# KiCad board SparkFun_Qwiic_WAV_Trigger_Pro_panelized.kicad_pcb (continued)
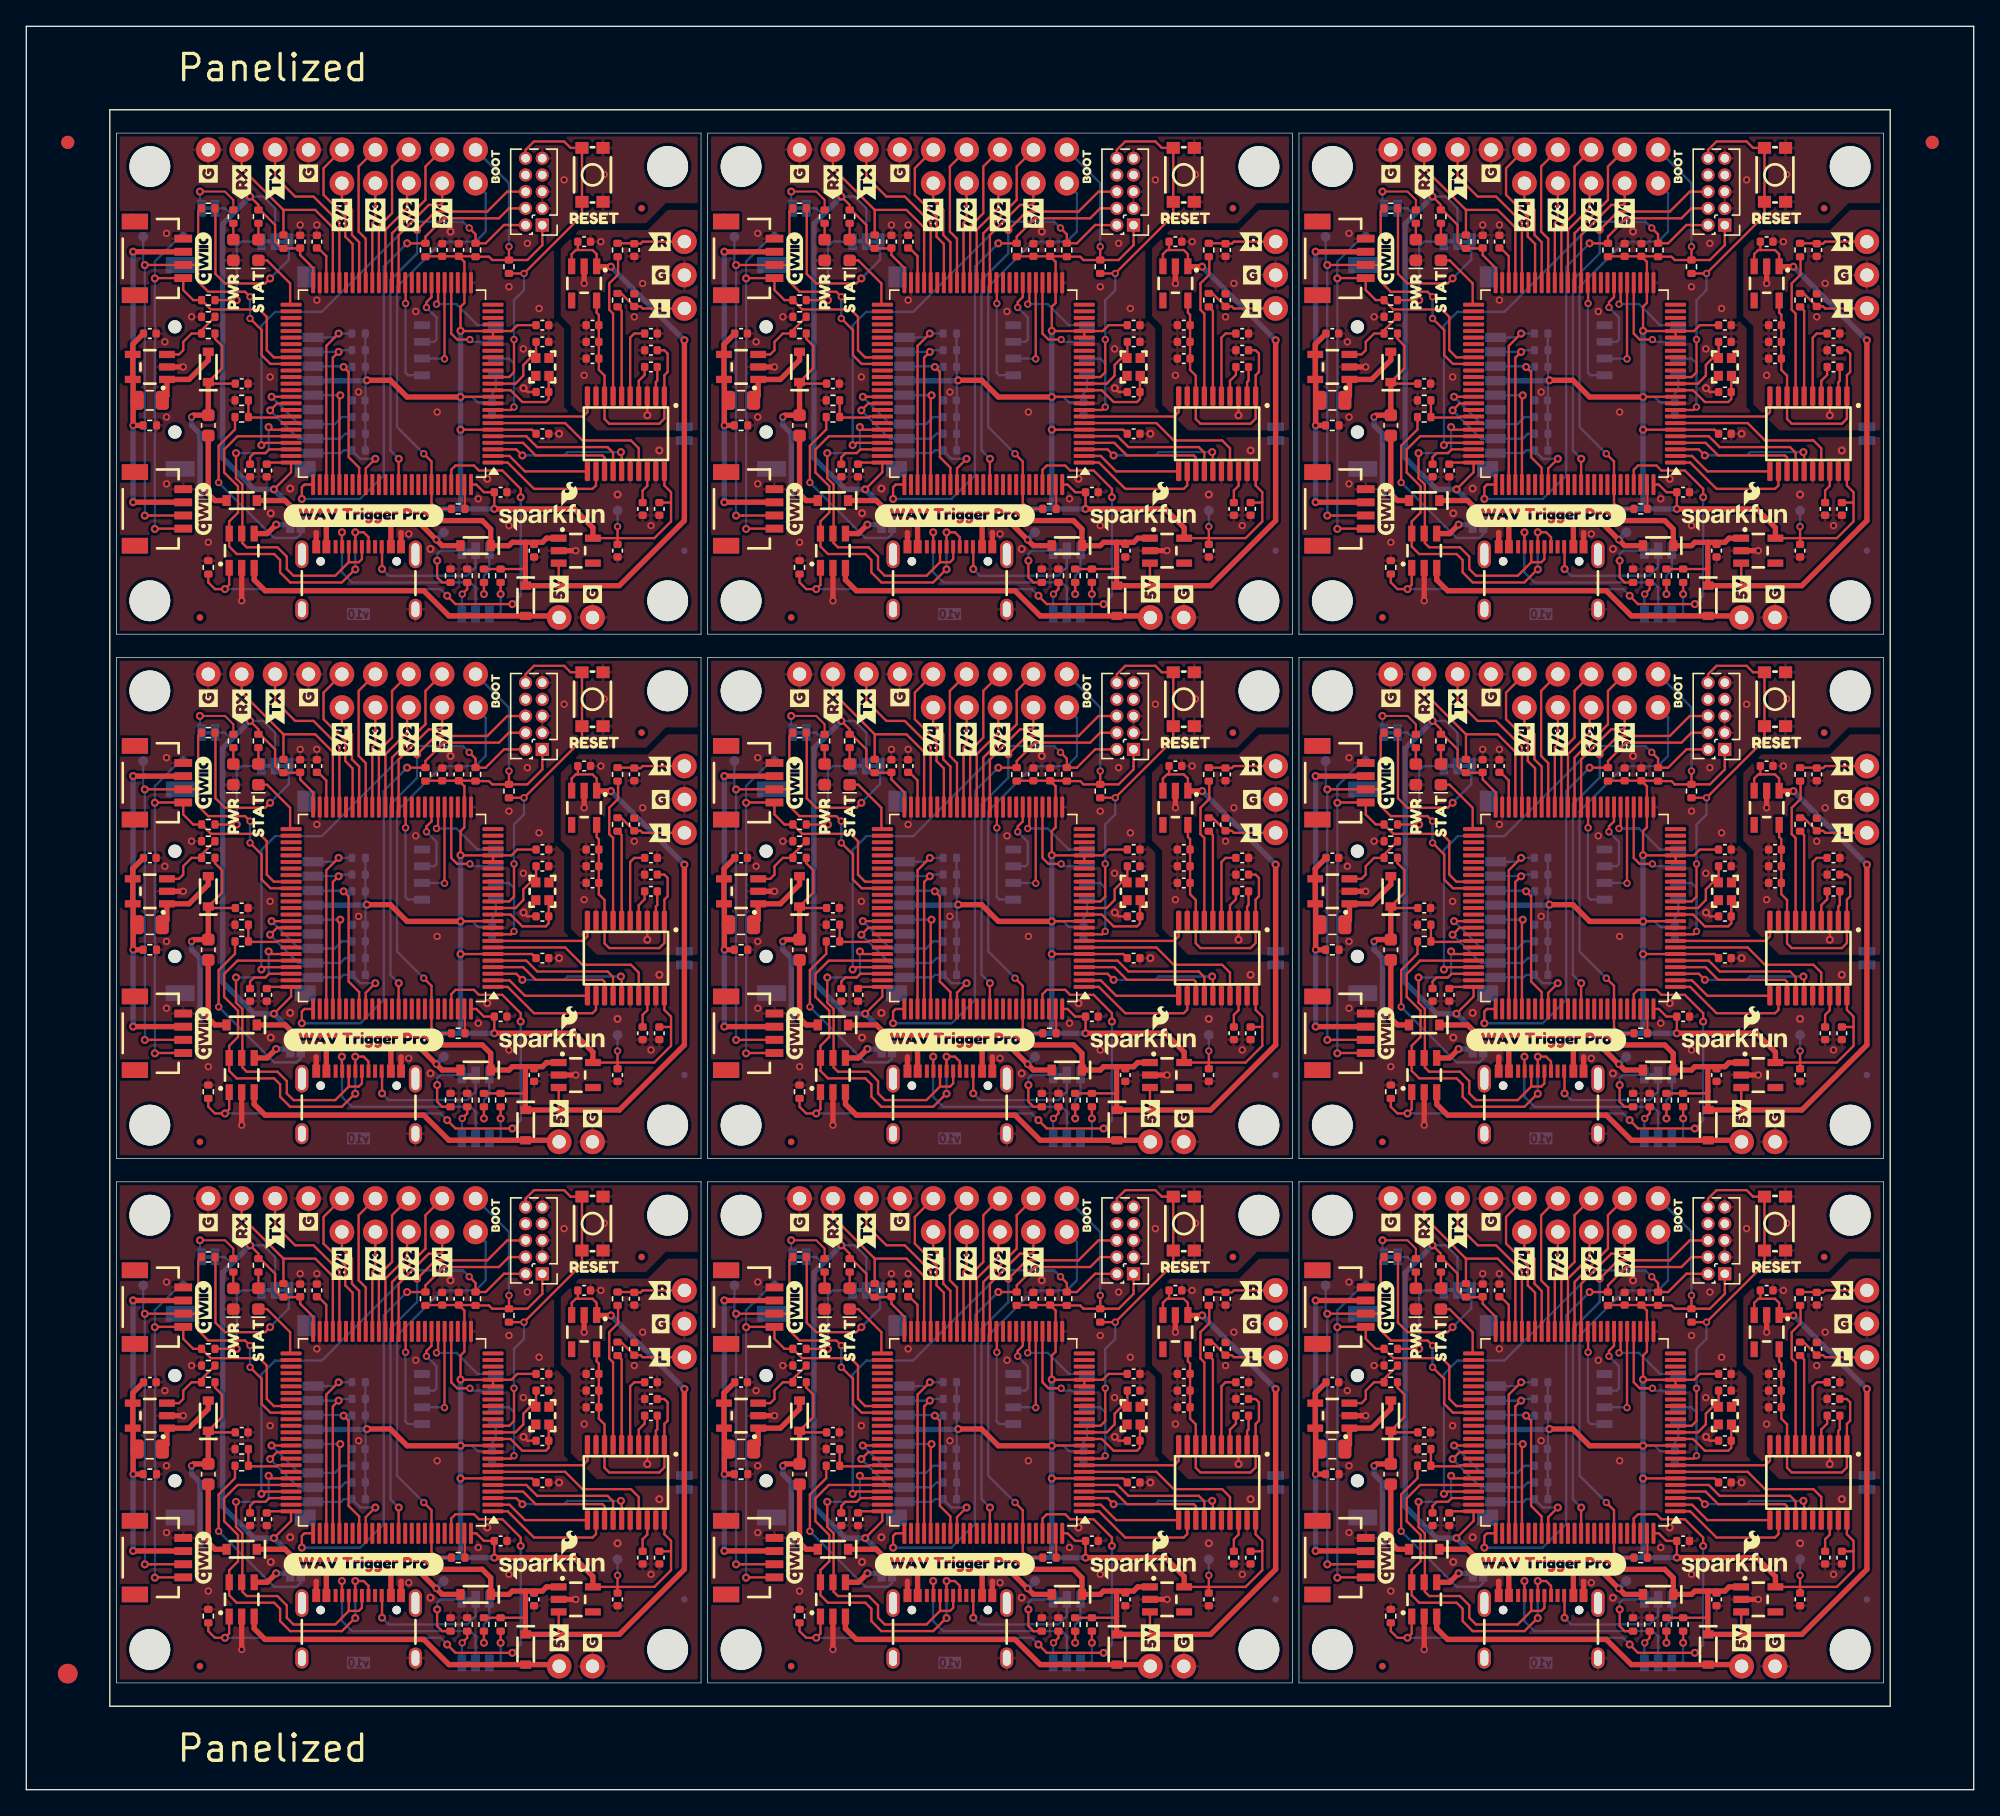
[diagram p0: board, top side]
## Routing (per net, layer and track width the routed paths; a pad name or vN(x,y) marks a point on that pad's centre or on a via; arc(x,y) is an arc through that point) (continued)
GND: length 91.3
  Top w0.152: R8#3.2 78.29,19.46 U3#2.99 ; U3#3.99 33.34,59.33 R8#2.2 ; R8#8.2 123.24,59.33 U3#7.99 ; U3#9.99 33.34,19.46 R8#9.2 ; R8#7.2 123.24,19.46 U3#8.99 ; U3#6.99 78.29,99.2 R8#6.2 ; U3.99 123.24,99.2 R8.2 ; U3#5.99 78.29,59.33 R8#4.2 ; U3#4.99 33.34,99.2 R8#5.2
  Top w0.178: v1(127.7,26.83) 127.99,26.53 C11#4.1 ; C11#5.1 83.04,106.27 v1(82.75,106.57) ; v1(82.75,26.83) 83.04,26.53 C11.1 ; C11#6.1 127.99,66.41 v1(127.7,66.7) ; v1(37.8,66.7) 38.09,66.41 C11#2.1 ; v1(82.75,66.7) 83.04,66.41 C11#3.1 ; v1(37.8,106.57) 38.09,106.27 C11#8.1 ; C11#7.1 127.99,106.27 v1(127.7,106.57) ; C11#9.1 38.09,26.53 v1(37.8,26.83)
  Top w0.406: U2.2 v2(86.73,54.34) ; 28.49,15.84 28.49,15.84 28.49,14.77 ; U2#5.2 v2(41.77,94.21) ; J2#8.GND 66.99,55.71 66.99,55.71 ; U1#5.2 v2(106.27,90.4) ; U6#3.2 v2(56.88,108.18) ; U6#9.2 v2(11.93,28.44) ; U2#6.2 v2(131.68,54.34) ; 118.39,55.71 118.39,55.71 J2#7.GND ; U6#6.2 v2(101.83,28.44) ; 73.44,94.5 73.44,95.58 73.44,95.58 ; U2#3.2 v2(131.68,94.21) ; U1#8.2 v2(106.27,50.53) ; U2#9.2 v2(41.77,14.47) ; 118.39,14.77 118.39,15.84 118.39,15.84 ; 66.99,95.58 66.99,95.58 66.99,94.5 ; 66.99,15.84 66.99,15.84 66.99,14.77 ; U1#4.2 v2(61.33,50.53) ; 111.94,55.71 111.94,55.71 J2#7.GND ; U6.2 v2(11.93,108.18) ; 28.49,94.5 28.49,95.58 28.49,95.58 ; U1#3.2 v2(61.33,90.4) ; 22.04,94.5 22.04,95.58 22.04,95.58 ; U1.2 v2(16.38,50.53) ; U2#2.2 v2(86.73,94.21) ; U1#9.2 v2(16.38,10.66) ; U1#6.2 v2(106.27,10.66) ; J2.GND 28.49,55.71 28.49,55.71 ; U6#7.2 v2(101.83,68.31) ; U6#5.2 v2(56.88,68.31) ; U6#8.2 v2(11.93,68.31) ; 22.04,15.84 22.04,15.84 22.04,14.77 ; 111.94,95.58 111.94,95.58 111.94,94.5 ; U2#4.2 v2(86.73,14.47) ; U1#7.2 v2(16.38,90.4) ; U6#2.2 v2(56.88,28.44) ; U2#8.2 v2(41.77,54.34) ; 111.94,15.84 111.94,15.84 111.94,14.77 ; 118.39,95.58 118.39,95.58 118.39,94.5 ; 73.44,55.71 73.44,55.71 J2#8.GND ; U6#4.2 v2(101.83,108.18) ; 73.44,14.77 73.44,15.84 73.44,15.84 ; 22.04,55.71 22.04,55.71 J2.GND ; U2#7.2 v2(131.68,14.47) ; U1#2.2 v2(61.33,10.66)
  vias: v1(18.58,97.05) v1(18.58,57.18) v1(18.58,17.31) v1(20.06,98.93) v1(20.06,59.06) v1(20.06,19.19) v1(30.73,94.34) v1(30.73,54.47) v1(30.73,14.6) v1(32.25,118.47) v1(32.25,78.6) v1(32.25,38.73) v1(35.04,99.67) v1(35.04,59.8) v1(35.04,19.93) v1(40.51,103.1) v1(40.51,63.23) v1(40.51,23.36) v1(44.95,98.48) v1(44.95,58.61) v1(44.95,18.74) v1(48.13,101.83) v1(48.13,61.96) v1(48.13,22.09) v1(63.53,97.05) v1(63.53,57.18) v1(63.53,17.31) v1(65.01,98.93) v1(65.01,59.06) v1(65.01,19.19) v1(75.68,94.34) v1(75.68,54.47) v1(75.68,14.6) v1(77.2,118.47) v1(77.2,78.6) v1(77.2,38.73) v1(79.99,99.67) v1(79.99,59.8) v1(79.99,19.93) v1(85.45,103.1) v1(85.45,63.23) v1(85.45,23.36) v1(89.9,98.48) v1(89.9,58.61) v1(89.9,18.74) v1(93.08,101.83) v1(93.08,61.96) v1(93.08,22.09) v1(108.48,97.05) v1(108.48,57.18) v1(108.48,17.31) v1(109.96,98.93) v1(109.96,59.06) v1(109.96,19.19) v1(120.63,94.34) v1(120.63,54.47) v1(120.63,14.6) v1(122.15,118.47) v1(122.15,78.6) v1(122.15,38.73) v1(124.94,99.67) v1(124.94,59.8) v1(124.94,19.93) v1(130.41,103.1) v1(130.41,63.23) v1(130.41,23.36) v1(134.85,98.48) v1(134.85,58.61) v1(134.85,18.74) v1(138.02,101.83) v1(138.02,61.96) v1(138.02,22.09) v2(10.53,110.08) v2(10.53,70.22) v2(10.53,30.34) v2(10.66,118.34) v2(10.66,104.37) v2(10.66,99.29) v2(10.66,78.47) v2(10.66,64.5) v2(10.66,59.42) v2(10.66,38.6) v2(10.66,24.63) v2(10.66,19.55) v2(12.57,111.99) v2(12.57,72.12) v2(12.57,32.25) v2(13.83,94.84) v2(13.83,54.97) v2(13.83,15.1) v2(18.53,107.42) v2(18.53,67.55) v2(18.53,27.68) v2(20.82,118.97) v2(20.82,79.1) v2(20.82,39.23) v2(22.09,118.97) v2(22.09,113.26) v2(22.09,79.1) v2(22.09,73.39) v2(22.09,39.23) v2(22.09,33.52) v2(25.27,106.27) v2(25.27,66.41) v2(25.27,26.53) v2(29.08,95.48) v2(29.08,55.61) v2(29.08,15.74) v2(29.61,112.4) v2(29.61,72.53) v2(29.61,32.66) v2(31.23,104.75) v2(31.23,64.88) v2(31.23,25.01) v2(34.36,98.15) v2(34.36,58.28) v2(34.36,18.41) v2(36.7,114.28) v2(36.7,96.11) v2(36.7,74.41) v2(36.7,56.24) v2(36.7,34.54) v2(36.7,16.38) v2(37.79,109.55) v2(37.79,69.68) v2(37.79,29.81) v2(38.09,117.58) v2(38.09,77.71) v2(38.09,37.84) v2(38.98,112.62) v2(38.98,72.75) v2(38.98,32.88) v2(40.89,122.4) v2(40.89,82.53) v2(40.89,42.66) v2(43.93,122.81) v2(43.93,82.94) v2(43.93,43.07) v2(47.49,96.11) v2(47.49,56.24) v2(47.49,16.38) v2(55.48,110.08) v2(55.48,70.22) v2(55.48,30.34) v2(55.61,118.34) v2(55.61,104.37) v2(55.61,99.29) v2(55.61,78.47) v2(55.61,64.5) v2(55.61,59.42) v2(55.61,38.6) v2(55.61,24.63) v2(55.61,19.55) v2(57.52,111.99) v2(57.52,72.12) v2(57.52,32.25) v2(58.79,94.84) v2(58.79,54.97) v2(58.79,15.1) v2(63.48,107.42) v2(63.48,67.55) v2(63.48,27.68) v2(65.77,118.97) v2(65.77,79.1) v2(65.77,39.23) v2(67.04,118.97) v2(67.04,113.26) v2(67.04,79.1) v2(67.04,73.39) v2(67.04,39.23) v2(67.04,33.52) v2(70.21,106.27) v2(70.21,66.41) v2(70.21,26.53) v2(74.02,95.48) v2(74.02,55.61) v2(74.02,15.74) v2(74.56,112.4) v2(74.56,72.53) v2(74.56,32.66) v2(76.18,104.75) v2(76.18,64.88) v2(76.18,25.01) v2(79.31,98.15) v2(79.31,58.28) v2(79.31,18.41) v2(81.64,114.28) v2(81.64,96.11) v2(81.64,74.41) v2(81.64,56.24) v2(81.64,34.54) v2(81.64,16.38) v2(82.74,109.55) v2(82.74,69.68) v2(82.74,29.81) v2(83.04,117.58) v2(83.04,77.71) v2(83.04,37.84) v2(83.93,112.62) v2(83.93,72.75) v2(83.93,32.88) v2(85.84,122.4) v2(85.84,82.53) v2(85.84,42.66) v2(88.88,122.81) v2(88.88,82.94) v2(88.88,43.07) v2(92.44,96.11) v2(92.44,56.24) v2(92.44,16.38) v2(100.43,110.08) v2(100.43,70.22) v2(100.43,30.34) v2(100.56,118.34) v2(100.56,104.37) v2(100.56,99.29) v2(100.56,78.47) v2(100.56,64.5) v2(100.56,59.42) v2(100.56,38.6) v2(100.56,24.63) v2(100.56,19.55) v2(102.46,111.99) v2(102.46,72.12) v2(102.46,32.25) v2(103.73,94.84) v2(103.73,54.97) v2(103.73,15.1) v2(108.43,107.42) v2(108.43,67.55) v2(108.43,27.68) v2(110.72,118.97) v2(110.72,79.1) v2(110.72,39.23) v2(111.99,118.97) v2(111.99,113.26) v2(111.99,79.1) v2(111.99,73.39) v2(111.99,39.23) v2(111.99,33.52) v2(115.17,106.27) v2(115.17,66.41) v2(115.17,26.53) v2(118.98,95.48) v2(118.98,55.61) v2(118.98,15.74) v2(119.51,112.4) v2(119.51,72.53) v2(119.51,32.66) v2(121.13,104.75) v2(121.13,64.88) v2(121.13,25.01) v2(124.26,98.15) v2(124.26,58.28) v2(124.26,18.41) v2(126.6,114.28) v2(126.6,96.11) v2(126.6,74.41) v2(126.6,56.24) v2(126.6,34.54) v2(126.6,16.38) v2(127.69,109.55) v2(127.69,69.68) v2(127.69,29.81) v2(127.99,117.58) v2(127.99,77.71) v2(127.99,37.84) v2(128.88,112.62) v2(128.88,72.75) v2(128.88,32.88) v2(130.79,122.4) v2(130.79,82.53) v2(130.79,42.66) v2(133.83,122.81) v2(133.83,82.94) v2(133.83,43.07) v2(137.39,96.11) v2(137.39,56.24) v2(137.39,16.38)
GNDA: length 26.7
  Top w0.178: U5#6.3 92.16,24.66 v1(92.16,24.76) ; v1(47.21,24.76) 47.21,24.66 U5#9.3 ; U5#8.3 137.11,104.4 v1(137.11,104.5) ; U5#3.3 137.11,64.53 v1(137.11,64.63) ; v1(137.11,24.76) 137.11,24.66 U5#5.3 ; U5#2.3 92.16,104.4 v1(92.16,104.5) ; U5.3 47.21,64.53 v1(47.21,64.63) ; U5#7.3 92.16,64.53 v1(92.16,64.63) ; v1(47.21,104.5) 47.21,104.4 U5#4.3
  Top w0.406: U4#6.2 v2(132.31,34.79) ; U4.2 v2(87.36,34.79) ; U4#3.2 v2(87.36,114.53) ; U4#2.2 v2(42.41,114.53) ; U4#9.2 v2(42.41,34.79) ; U4#8.2 v2(87.36,74.66) ; U4#7.2 v2(42.41,74.66) ; U4#5.2 v2(132.31,74.66) ; U4#4.2 v2(132.31,114.53)
  vias: v2(42.41,107.54) v2(42.41,67.67) v2(42.41,27.8) v2(43.68,117.7) v2(43.68,77.83) v2(43.68,37.96) v2(46.22,111.99) v2(46.22,72.12) v2(46.22,32.25) v2(46.86,114.53) v2(46.86,74.66) v2(46.86,34.79) v2(87.36,107.54) v2(87.36,67.67) v2(87.36,27.8) v2(88.63,117.7) v2(88.63,77.83) v2(88.63,37.96) v2(91.17,111.99) v2(91.17,72.12) v2(91.17,32.25) v2(91.8,114.53) v2(91.8,74.66) v2(91.8,34.79) v2(132.31,107.54) v2(132.31,67.67) v2(132.31,27.8) v2(133.58,117.7) v2(133.58,77.83) v2(133.58,37.96) v2(136.12,111.99) v2(136.12,72.12) v2(136.12,32.25) v2(136.75,114.53) v2(136.75,74.66) v2(136.75,34.79)
VIN: length 229.1
  Top w0.406: 85.97,9.51 86.09,9.39 ; 41.02,49.38 41.14,49.26 ; 85.97,89.25 86.09,89.13 ; U1#2.3 62.27,12.25 63.1,11.42 75.17,11.42 77.08,9.51 D2#4.A 85.33,9.51 J1.1 ; J1#4.1 130.29,9.51 D2#7.A 122.03,9.51 120.12,11.42 108.05,11.42 107.23,12.25 U1#6.3 ; U1#3.3 62.27,91.99 63.1,91.16 75.17,91.16 77.08,89.25 D2#5.A 85.33,89.25 J1#8.1 ; U1#4.3 62.27,52.12 63.1,51.29 75.17,51.29 77.08,49.38 D2#8.A 85.33,49.38 J1#6.1 ; 130.92,9.51 131.04,9.39 ; U1#7.3 17.33,91.99 18.15,91.16 30.22,91.16 32.13,89.25 D2#6.A 40.39,89.25 J1#3.1 ; 41.02,9.51 41.14,9.39 ; 41.02,89.25 41.14,89.13 ; J1#7.1 130.29,49.38 D2#2.A 122.03,49.38 120.12,51.29 108.05,51.29 107.23,52.12 U1#8.3 ; 130.92,89.25 131.04,89.13 ; J1#9.1 40.39,9.51 D2#9.A 32.13,9.51 30.22,11.42 18.15,11.42 17.33,12.25 U1#9.3 ; J1#2.1 40.39,49.38 D2.A 32.13,49.38 30.22,51.29 18.15,51.29 17.33,52.12 U1.3 ; 85.97,49.38 86.09,49.26 ; J1#5.1 130.29,89.25 D2#3.A 122.03,89.25 120.12,91.16 108.05,91.16 107.23,91.99 U1#5.3 ; 130.92,49.38 131.04,49.26
/Audio/DEMP: length 76.8
  Top w0.178: U5#8.10 132.56,104.75 132.22,104.41 U3.8 ; U3#3.8 42.32,64.54 42.66,64.88 U5.10 ; U5#5.10 132.56,25.01 132.22,24.67 U3#8.8 ; U5#7.10 87.61,64.88 87.27,64.54 U3#5.8 ; U3#9.8 42.32,24.67 42.66,25.01 U5#9.10 ; U5#3.10 132.56,64.88 132.22,64.54 U3#7.8 ; U3#6.8 87.27,104.41 87.61,104.75 U5#2.10 ; U3#4.8 42.32,104.41 42.66,104.75 U5#4.10 ; U5#6.10 87.61,25.01 87.27,24.67 U3#2.8
/Audio/FILTER: length 69
  Top w0.178: U3#4.2 36.73,101.41 37.91,100.24 U5#4.11 ; U3#9.2 36.73,21.67 37.91,20.5 U5#9.11 ; U5#7.11 82.86,60.37 81.68,61.54 U3#5.2 ; U5#3.11 127.81,60.37 126.63,61.54 U3#7.2 ; U5#5.11 127.81,20.5 126.63,21.67 U3#8.2 ; U3#2.2 81.68,21.67 82.86,20.5 U5#6.11 ; U3#3.2 36.73,61.54 37.91,60.37 U5.11 ; U3#6.2 81.68,101.41 82.86,100.24 U5#2.11 ; U5#8.11 127.81,100.24 126.63,101.41 U3.2
/Audio/MUTE: length 122.7
  Top w0.178: U3#4.7 40.96,103.91 42.28,102.59 45.97,102.59 46.56,102 U5#4.17 ; U5#7.17 91.51,62.13 90.92,62.72 87.23,62.72 85.92,64.04 U3#5.7 ; U3#9.7 40.96,24.17 42.28,22.85 45.97,22.85 46.56,22.26 U5#9.17 ; U5#3.17 136.46,62.13 135.87,62.72 132.18,62.72 130.87,64.04 U3#7.7 ; U5#2.17 91.51,102 90.92,102.59 87.23,102.59 85.92,103.91 U3#6.7 ; U5#6.17 91.51,22.26 90.92,22.85 87.23,22.85 85.92,24.17 U3#2.7 ; U5.17 46.56,62.13 45.97,62.72 42.28,62.72 40.96,64.04 U3#3.7 ; U5#8.17 136.46,102 135.87,102.59 132.18,102.59 130.87,103.91 U3.7 ; U3#8.7 130.87,24.17 132.18,22.85 135.87,22.85 136.46,22.26 U5#5.17
/Audio/SAI1_BCK: length 90
  Top w0.178: U3#9.4 37.77,22.67 38.73,21.71 43.81,21.71 43.96,21.56 U5#9.13 ; U3#4.4 37.77,102.41 38.73,101.45 43.81,101.45 43.96,101.3 U5#4.13 ; U5#3.13 133.86,61.43 133.71,61.58 128.63,61.58 127.67,62.54 U3#7.4 ; U5.13 43.96,61.43 43.81,61.58 38.73,61.58 37.77,62.54 U3#3.4 ; U3#6.4 82.72,102.41 83.68,101.45 88.76,101.45 88.91,101.3 U5#2.13 ; U3#8.4 127.67,22.67 128.63,21.71 133.71,21.71 133.86,21.56 U5#5.13 ; U5#7.13 88.91,61.43 88.76,61.58 83.68,61.58 82.72,62.54 U3#5.4 ; U3.4 127.67,102.41 128.63,101.45 133.71,101.45 133.86,101.3 U5#8.13 ; U5#6.13 88.91,21.56 88.76,21.71 83.68,21.71 82.72,22.67 U3#2.4
/Audio/SAI1_DO: length 99.6
  Top w0.178: U5#5.14 134.51,21.92 134.09,22.34 128.74,22.34 127.91,23.17 U3#8.5 ; U3#5.5 82.96,63.04 83.79,62.21 89.14,62.21 89.56,61.79 89.56,60.37 ; U3#6.5 82.96,102.91 83.79,102.08 89.14,102.08 89.56,101.66 89.56,100.24 ; U3#4.5 38.01,102.91 38.84,102.08 44.19,102.08 44.61,101.66 U5#4.14 ; U5#8.14 134.51,101.66 134.09,102.08 128.74,102.08 127.91,102.91 U3.5 ; U5#9.14 44.61,21.92 44.19,22.34 38.84,22.34 38.01,23.17 U3#9.5 ; U3#2.5 82.96,23.17 83.79,22.34 89.14,22.34 89.56,21.92 89.56,20.5 ; U5.14 44.61,61.79 44.19,62.21 38.84,62.21 38.01,63.04 U3#3.5 ; U3#7.5 127.91,63.04 128.74,62.21 134.09,62.21 134.51,61.79 U5#3.14
/Audio/SAI1_LRCK: length 103.6
  Top w0.178: U3.3 127.15,101.91 v1(127.61,101.45) ; v1(135.1,21.96) 135.16,21.91 U5#5.15 ; v1(135.1,101.7) 135.16,101.65 U5#8.15 ; v1(45.2,21.96) 45.26,21.91 U5#9.15 ; v1(90.15,61.83) 90.21,61.78 U5#7.15 ; U5#3.15 135.16,61.78 v1(135.1,61.83) ; v1(127.61,21.71) 127.15,22.17 U3#8.3 ; U3#4.3 37.25,101.91 v1(37.71,101.45) ; U3#6.3 82.2,101.91 v1(82.66,101.45) ; v1(45.2,61.83) 45.26,61.78 U5.15 ; U3#2.3 82.2,22.17 v1(82.66,21.71) ; v1(90.15,21.96) 90.21,21.91 U5#6.15 ; v1(37.71,61.58) 37.25,62.04 U3#3.3 ; U5#2.15 90.21,101.65 v1(90.15,101.7) ; U5#4.15 45.26,101.65 v1(45.2,101.7) ; U3#9.3 37.25,22.17 v1(37.71,21.71) ; v1(82.66,61.58) 82.2,62.04 U3#5.3 ; v1(127.61,61.58) 127.15,62.04 U3#7.3
  Bottom w0.178: v1(90.15,61.83) 86.09,61.83 85.84,61.58 v1(82.66,61.58) ; v1(135.1,101.7) 131.04,101.7 130.79,101.45 v1(127.61,101.45) ; v1(45.2,61.83) 41.14,61.83 40.89,61.58 v1(37.71,61.58) ; v1(37.71,101.45) 40.89,101.45 41.14,101.7 v1(45.2,101.7) ; v1(45.2,21.96) 41.14,21.96 40.89,21.71 v1(37.71,21.71) ; v1(127.61,61.58) 130.79,61.58 131.04,61.83 v1(135.1,61.83) ; v1(82.66,101.45) 85.84,101.45 86.09,101.7 v1(90.15,101.7) ; v1(127.61,21.71) 130.79,21.71 131.04,21.96 v1(135.1,21.96) ; v1(90.15,21.96) 86.09,21.96 85.84,21.71 v1(82.66,21.71)
/Audio/SAI1_MCK: length 88.5
  Top w0.178: U5#8.12 133.21,99.17 132.94,98.91 128.5,98.91 126.5,100.91 U3.1 ; U3#8.1 126.5,21.17 128.5,19.17 132.94,19.17 133.21,19.43 U5#5.12 ; U5#4.12 43.31,99.17 43.05,98.91 38.6,98.91 36.6,100.91 U3#4.1 ; U5#9.12 43.31,19.43 43.05,19.17 38.6,19.17 36.6,21.17 U3#9.1 ; U5.12 43.31,59.3 43.05,59.04 38.6,59.04 36.6,61.04 U3#3.1 ; U3#2.1 81.55,21.17 83.55,19.17 87.99,19.17 88.26,19.43 U5#6.12 ; U5#2.12 88.26,99.17 87.99,98.91 83.55,98.91 81.55,100.91 U3#6.1 ; U3#5.1 81.55,61.04 83.55,59.04 87.99,59.04 88.26,59.3 U5#7.12 ; U3#7.1 126.5,61.04 128.5,59.04 132.94,59.04 133.21,59.3 U5#3.12
/CPU/D0: length 85.1
  Top w0.178: 73.26,34.84 73.26,38.46 75.55,40.76 76.44,40.76 76.57,40.89 J9#7.1 ; 118.2,34.84 118.2,38.46 120.5,40.76 121.39,40.76 121.52,40.89 J9#4.1 ; U3.37 118.2,118.2 120.5,120.5 121.39,120.5 121.52,120.63 J9.1 ; U3#5.37 73.26,78.33 75.55,80.63 76.44,80.63 76.57,80.76 J9#5.1 ; J9#2.1 31.61,80.76 31.49,80.63 30.6,80.63 28.3,78.33 U3#3.37 ; J9#8.1 121.52,80.76 121.39,80.63 120.5,80.63 118.2,78.33 U3#7.37 ; 28.3,34.84 28.3,38.46 30.6,40.76 31.49,40.76 31.61,40.89 J9#9.1 ; U3#4.37 28.3,118.2 30.6,120.5 31.49,120.5 31.61,120.63 J9#6.1 ; U3#6.37 73.26,118.2 75.55,120.5 76.44,120.5 76.57,120.63 J9#3.1
/CPU/D1: length 105.1
  Top w0.178: J6#5.1 75.3,123.42 75.3,120.88 72.76,118.34 U3#6.38 ; U3.38 117.7,118.34 120.24,120.88 120.24,123.42 J6#7.1 ; U3#3.38 27.8,78.47 30.35,81.01 30.35,83.55 J6.1 ; 72.76,34.84 72.76,38.6 75.3,41.14 75.3,43.68 J6#3.1 ; 27.8,34.84 27.8,38.6 30.35,41.14 30.35,43.68 J6#9.1 ; J6#8.1 120.24,43.68 120.24,41.14 117.7,38.6 117.7,34.84 ; J6#4.1 75.3,83.55 75.3,81.01 72.76,78.47 U3#5.38 ; J6#6.1 120.24,83.55 120.24,81.01 117.7,78.47 U3#7.38 ; U3#4.38 27.8,118.34 30.35,120.88 30.35,123.42 J6#2.1
/CPU/D2: length 74.7
  Top w0.178: J9#8.2 118.85,82.15 118.85,80.38 117.2,78.73 U3#7.39 ; U3#3.39 27.3,78.73 28.95,80.38 28.95,82.15 J9#2.2 ; U3#6.39 72.26,118.6 73.9,120.24 73.9,122.02 J9#3.2 ; J9#5.2 73.9,82.15 73.9,80.38 72.26,78.73 U3#5.39 ; J9#4.2 118.85,42.28 118.85,40.5 117.2,38.86 117.2,34.84 ; J9#6.2 28.95,122.02 28.95,120.24 27.3,118.6 U3#4.39 ; J9#9.2 28.95,42.28 28.95,40.5 27.3,38.86 27.3,34.84 ; 72.26,34.84 72.26,38.86 73.9,40.5 73.9,42.28 J9#7.2 ; J9.2 118.85,122.02 118.85,120.24 117.2,118.6 U3.39
/CPU/D3: length 99.5
  Top w0.178: 71.76,34.84 71.76,39.09 71.74,39.11 72.76,40.12 72.76,43.68 J6#3.2 ; U3.40 116.7,118.83 116.69,118.85 117.7,119.86 117.7,123.42 J6#7.2 ; J6#8.2 117.7,43.68 117.7,40.12 116.69,39.11 116.7,39.09 116.7,34.84 ; J6#6.2 117.7,83.55 117.7,79.99 116.69,78.98 116.7,78.96 U3#7.40 ; J6#4.2 72.76,83.55 72.76,79.99 71.74,78.98 71.76,78.96 U3#5.40 ; J6#2.2 27.8,123.42 27.8,119.86 26.79,118.85 26.8,118.83 U3#4.40 ; J6.2 27.8,83.55 27.8,79.99 26.79,78.98 26.8,78.96 U3#3.40 ; J6#9.2 27.8,43.68 27.8,40.12 26.79,39.11 26.8,39.09 26.8,34.84 ; J6#5.2 72.76,123.42 72.76,119.86 71.74,118.85 71.76,118.83 U3#6.40
/CPU/D4: length 68.9
  Top w0.178: U3#5.41 71.26,79.26 71.48,79.49 J9#5.3 ; 26.3,34.84 26.3,39.39 26.54,39.62 J9#9.3 ; 71.26,34.84 71.26,39.39 71.48,39.62 J9#7.3 ; J9#6.3 26.54,119.36 26.3,119.13 U3#4.41 ; J9#8.3 116.43,79.49 116.2,79.26 U3#7.41 ; J9#2.3 26.54,79.49 26.3,79.26 U3#3.41 ; U3#6.41 71.26,119.13 71.48,119.36 J9#3.3 ; 116.2,34.84 116.2,39.39 116.43,39.62 J9#4.3 ; U3.41 116.2,119.13 116.43,119.36 J9.3
/CPU/D5: length 97.7
  Top w0.178: J6#9.3 25.27,43.68 25.27,38.73 25.8,38.19 25.8,34.84 ; U3.42 115.7,117.93 115.17,118.47 115.17,123.42 J6#7.3 ; U3#5.42 70.76,78.06 70.21,78.6 70.21,83.55 J6#4.3 ; J6#3.3 70.21,43.68 70.21,38.73 70.76,38.19 70.76,34.84 ; 115.7,34.84 115.7,38.19 115.17,38.73 115.17,43.68 J6#8.3 ; U3#6.42 70.76,117.93 70.21,118.47 70.21,123.42 J6#5.3 ; J6.3 25.27,83.55 25.27,78.6 25.8,78.06 U3#3.42 ; J6#2.3 25.27,123.42 25.27,118.47 25.8,117.93 U3#4.42 ; J6#6.3 115.17,83.55 115.17,78.6 115.7,78.06 U3#7.42
/CPU/D6: length 73
  Top w0.178: J9#9.4 23.99,41.14 24.76,40.38 24.76,38.47 25.3,37.92 25.3,34.84 ; J9.4 113.89,120.88 114.66,120.12 114.66,118.21 115.2,117.66 U3.43 ; U3#5.43 70.26,77.79 69.71,78.34 69.71,80.25 68.95,81.01 J9#5.4 ; U3#3.43 25.3,77.79 24.76,78.34 24.76,80.25 23.99,81.01 J9#2.4 ; U3#6.43 70.26,117.66 69.71,118.21 69.71,120.12 68.95,120.88 J9#3.4 ; U3#7.43 115.2,77.79 114.66,78.34 114.66,80.25 113.89,81.01 J9#8.4 ; 70.26,34.84 70.26,37.92 69.71,38.47 69.71,40.38 68.95,41.14 J9#7.4 ; J9#4.4 113.89,41.14 114.66,40.38 114.66,38.47 115.2,37.92 115.2,34.84 ; U3#4.43 25.3,117.66 24.76,118.21 24.76,120.12 23.99,120.88 J9#6.4
/CPU/D7: length 104.4
  Top w0.178: U3.44 114.7,117.53 114.15,118.09 114.15,119.61 112.5,121.26 112.5,123.29 J6#7.4 ; U3#5.44 69.76,77.66 69.2,78.22 69.2,79.74 67.55,81.39 67.55,83.42 J6#4.4 ; J6.4 22.6,83.42 22.6,81.39 24.25,79.74 24.25,78.22 24.8,77.66 U3#3.44 ; U3#4.44 24.8,117.53 24.25,118.09 24.25,119.61 22.6,121.26 22.6,123.29 J6#2.4 ; J6#9.4 22.6,43.55 22.6,41.52 24.25,39.87 24.25,38.35 24.8,37.79 24.8,34.84 ; J6#3.4 67.55,43.55 67.55,41.52 69.2,39.87 69.2,38.35 69.76,37.79 69.76,34.84 ; J6#8.4 112.5,43.55 112.5,41.52 114.15,39.87 114.15,38.35 114.7,37.79 114.7,34.84 ; U3#6.44 69.76,117.53 69.2,118.09 69.2,119.61 67.55,121.26 67.55,123.29 J6#5.4 ; J6#6.4 112.5,83.42 112.5,81.39 114.15,79.74 114.15,78.22 114.7,77.66 U3#7.44
/CPU/I2C_SCK: length 363
  Top w0.178: J4#7.4 54.74,56.02 v1(54.72,55.99) ; v1(9.77,75.04) 9.8,75.06 J3#3.4 11.93,74.15 12.69,73.39 R11#2.2 14.03,72.68 17.72,72.68 18.28,72.12 18.28,69.58 18.82,69.04 20.13,69.04 ; 20.13,29.17 18.82,29.17 18.28,29.71 18.28,32.25 17.72,32.81 14.03,32.81 R11#9.2 12.69,33.52 11.93,34.28 J3#9.4 9.8,35.19 v1(9.77,35.17) ; 110.03,69.04 108.72,69.04 108.18,69.58 108.18,72.12 107.62,72.68 103.93,72.68 R11#3.2 102.59,73.39 101.83,74.15 J3#2.4 99.7,75.06 v1(99.67,75.04) ; J4#6.4 54.74,16.14 v1(54.72,16.12) ; 110.03,108.91 108.72,108.91 108.18,109.45 108.18,111.99 107.62,112.55 103.93,112.55 R11#5.2 102.59,113.26 101.83,114.02 J3#8.4 99.7,114.94 v1(99.67,114.91) ; v1(54.72,35.17) 54.74,35.19 J3#5.4 56.88,34.28 57.64,33.52 R11#4.2 58.98,32.81 62.67,32.81 63.23,32.25 63.23,29.71 63.77,29.17 U3#2.59 ; v1(9.77,16.12) 9.8,16.14 J4#9.4 ; v1(99.67,16.12) 99.7,16.14 J4#8.4 ; 110.03,29.17 108.72,29.17 108.18,29.71 108.18,32.25 107.62,32.81 103.93,32.81 R11#7.2 102.59,33.52 101.83,34.28 J3#7.4 99.7,35.19 v1(99.67,35.17) ; v1(54.72,95.86) 54.74,95.88 J4.4 ; U3#5.59 63.77,69.04 63.23,69.58 63.23,72.12 62.67,72.68 58.98,72.68 R11.2 57.64,73.39 56.88,74.15 J3.4 54.74,75.06 v1(54.72,75.04) ; J4#2.4 9.8,56.02 v1(9.77,55.99) ; 20.13,108.91 18.82,108.91 18.28,109.45 18.28,111.99 17.72,112.55 14.03,112.55 R11#8.2 12.69,113.26 11.93,114.02 J3#4.4 9.8,114.94 v1(9.77,114.91) ; v1(54.72,114.91) 54.74,114.94 J3#6.4 56.88,114.02 57.64,113.26 R11#6.2 58.98,112.55 62.67,112.55 63.23,111.99 63.23,109.45 63.77,108.91 U3#6.59 ; J4#5.4 9.8,95.88 v1(9.77,95.86) ; v1(99.67,95.86) 99.7,95.88 J4#3.4 ; v1(99.67,55.99) 99.7,56.02 J4#4.4
  Bottom w0.178: v1(54.72,55.99) v1(54.72,75.04) 54.72,76.32 56.62,78.22 TP4.1 ; v1(9.77,95.86) v1(9.77,114.91) 9.77,116.19 11.67,118.09 TP4#4.1 ; TP4#3.1 101.57,118.09 99.67,116.19 v1(99.67,114.91) v1(99.67,95.86) ; v1(9.77,16.12) v1(9.77,35.17) 9.77,36.45 11.67,38.35 TP4#9.1 ; TP4#5.1 56.62,38.35 54.72,36.45 v1(54.72,35.17) v1(54.72,16.12) ; v1(99.67,16.12) v1(99.67,35.17) 99.67,36.45 101.57,38.35 TP4#8.1 ; v1(99.67,55.99) v1(99.67,75.04) 99.67,76.32 101.57,78.22 TP4#7.1 ; v1(9.77,55.99) v1(9.77,75.04) 9.77,76.32 11.67,78.22 TP4#6.1 ; v1(54.72,95.86) v1(54.72,114.91) 54.72,116.19 56.62,118.09 TP4#2.1
/CPU/I2C_SDA: length 411
  Top w0.178: 102.96,36.19 J3#7.3 98.92,36.19 v1(98.91,36.19) ; 102.96,36.19 102.96,34.92 103.73,34.16 106.53,34.16 v2(106.91,33.77) ; 102.96,36.19 102.96,40.24 R15#6.2 ; 58.02,76.06 58.02,74.79 58.79,74.02 61.58,74.02 v2(61.96,73.64) ; 58.02,76.06 J3.3 53.97,76.06 v1(53.96,76.06) ; 58.02,76.06 58.02,80.11 R15#4.2 ; 13.07,76.06 13.07,80.11 R15.2 ; 13.07,76.06 J3#3.3 9.02,76.06 v1(9.01,76.06) ; 13.07,76.06 13.07,74.79 13.83,74.02 16.63,74.02 v2(17.01,73.64) ; v1(53.96,115.93) 53.97,115.94 J3#6.3 58.02,115.94 ; U3#2.60 63.51,28.67 62.85,29.33 62.85,31.23 v2(61.96,32.12) ; 102.96,76.06 J3#2.3 98.92,76.06 v1(98.91,76.06) ; 102.96,76.06 102.96,80.11 R15#7.2 ; 102.96,76.06 102.96,74.79 103.73,74.02 106.53,74.02 v2(106.91,73.64) ; U3#5.60 63.51,68.54 62.85,69.2 62.85,71.1 v2(61.96,71.99) ; U3#6.60 63.51,108.41 62.85,109.07 62.85,110.97 v2(61.96,111.86) ; 58.02,115.94 58.02,119.98 R15#5.2 ; 58.02,115.94 58.02,114.66 58.79,113.89 61.58,113.89 v2(61.96,113.51) ; v2(106.91,32.12) 107.8,31.23 107.8,29.33 108.46,28.67 110.03,28.67 ; 13.07,36.19 13.07,34.92 13.83,34.16 16.63,34.16 v2(17.01,33.77) ; 13.07,36.19 13.07,40.24 R15#9.2 ; 13.07,36.19 J3#9.3 9.02,36.19 v1(9.01,36.19) ; v1(53.96,57.01) 54.47,57.01 54.48,57.02 J4#7.3 ; 58.02,36.19 58.02,40.24 R15#3.2 ; 58.02,36.19 J3#5.3 53.97,36.19 v1(53.96,36.19) ; 58.02,36.19 58.02,34.92 58.79,34.16 61.58,34.16 v2(61.96,33.77) ; v2(17.01,32.12) 17.9,31.23 17.9,29.33 18.56,28.67 20.13,28.67 ; J4#9.3 9.53,17.14 9.52,17.14 v1(9.01,17.14) ; J4#3.3 99.42,96.88 99.42,96.88 v1(98.91,96.88) ; J4#4.3 99.42,57.02 99.42,57.01 v1(98.91,57.01) ; J4#5.3 9.53,96.88 9.52,96.88 v1(9.01,96.88) ; J4.3 54.48,96.88 54.47,96.88 v1(53.96,96.88) ; 102.96,115.94 J3#8.3 98.92,115.94 v1(98.91,115.93) ; 102.96,115.94 102.96,119.98 R15#8.2 ; 102.96,115.94 102.96,114.66 103.73,113.89 106.53,113.89 v2(106.91,113.51) ; 110.03,108.41 108.46,108.41 107.8,109.07 107.8,110.97 v2(106.91,111.86) ; v1(9.01,115.93) 9.02,115.94 J3#4.3 13.07,115.94 ; v2(17.01,71.99) 17.9,71.1 17.9,69.2 18.56,68.54 20.13,68.54 ; J4#6.3 54.48,17.14 54.47,17.14 v1(53.96,17.14) ; J4#2.3 9.53,57.02 9.52,57.01 v1(9.01,57.01) ; 13.07,115.94 13.07,119.98 R15#2.2 ; 13.07,115.94 13.07,114.66 13.83,113.89 16.63,113.89 v2(17.01,113.51) ; v2(106.91,71.99) 107.8,71.1 107.8,69.2 108.46,68.54 110.03,68.54 ; 20.13,108.41 18.56,108.41 17.9,109.07 17.9,110.97 v2(17.01,111.86) ; J4#8.3 99.42,17.14 99.42,17.14 v1(98.91,17.14)
  Bottom w0.178: v1(53.96,57.01) v1(53.96,76.06) 53.83,76.18 TP5#8.1 ; TP5#3.1 8.88,76.18 v1(9.01,76.06) v1(9.01,57.01) ; TP5.1 8.88,116.05 v1(9.01,115.93) v1(9.01,96.88) ; TP5#5.1 53.83,116.05 v1(53.96,115.93) v1(53.96,96.88) ; v2(61.96,73.64) v2(61.96,71.99) ; v1(98.91,17.14) v1(98.91,36.19) 98.78,36.31 TP5#4.1 ; v2(17.01,113.51) v2(17.01,111.86) ; v2(17.01,73.64) v2(17.01,71.99) ; v2(106.91,33.77) v2(106.91,32.12) ; TP5#9.1 8.88,36.31 v1(9.01,36.19) v1(9.01,17.14) ; v2(17.01,33.77) v2(17.01,32.12) ; v2(106.91,113.51) v2(106.91,111.86) ; TP5#6.1 53.83,36.31 v1(53.96,36.19) v1(53.96,17.14) ; TP5#2.1 98.78,76.18 v1(98.91,76.06) v1(98.91,57.01) ; TP5#7.1 98.78,116.05 v1(98.91,115.93) v1(98.91,96.88) ; v2(106.91,73.64) v2(106.91,71.99) ; v2(61.96,113.51) v2(61.96,111.86) ; v2(61.96,33.77) v2(61.96,32.12)
/CPU/LED: length 43.1
  Top w0.178: 20.13,112.91 20.06,112.98 20.06,114.53 18.31,116.28 D4#4.1 ; D4#6.1 63.26,76.41 65.01,74.66 65.01,73.11 U3#5.51 ; D4#3.1 18.31,76.41 20.06,74.66 20.06,73.11 20.13,73.04 ; D4#5.1 63.26,36.54 65.01,34.79 65.01,33.24 U3#2.51 ; D4#8.1 108.21,76.41 109.96,74.66 109.96,73.11 110.03,73.04 ; D4.1 108.21,36.54 109.96,34.79 109.96,33.24 110.03,33.17 ; U3#6.51 65.01,112.98 65.01,114.53 63.26,116.28 D4#7.1 ; D4#2.1 108.21,116.28 109.96,114.53 109.96,112.98 110.03,112.91 ; D4#9.1 18.31,36.54 20.06,34.79 20.06,33.24 20.13,33.17
/CPU/MEM_CK: length 67.6
  Top w0.178: v2(123.62,110.26) 122.66,110.26 122.2,110.72 U3.29 ; U3#5.29 77.26,70.85 77.71,70.39 v2(78.67,70.39) ; 122.2,34.84 122.2,30.98 122.66,30.52 v2(123.62,30.52) ; U3#6.29 77.26,110.72 77.71,110.26 v2(78.67,110.26) ; v2(33.72,110.26) 32.76,110.26 32.3,110.72 U3#4.29 ; 77.26,34.84 77.26,30.98 77.71,30.52 v2(78.67,30.52) ; v2(123.62,70.39) 122.66,70.39 122.2,70.85 U3#7.29 ; 32.3,34.84 32.3,30.98 32.76,30.52 v2(33.72,30.52) ; U3#3.29 32.3,70.85 32.76,70.39 v2(33.72,70.39)
  Bottom w0.178: v2(33.72,70.39) 33.9,70.22 U7.6 ; U7#4.6 33.9,110.08 v2(33.72,110.26) ; v2(123.62,110.26) 123.8,110.08 U7#6.6 ; v2(78.67,110.26) 78.85,110.08 U7#3.6 ; v2(78.67,70.39) 78.85,70.22 U7#5.6 ; U7#8.6 123.8,70.22 v2(123.62,70.39) ; U7#7.6 123.8,30.34 v2(123.62,30.52) ; U7#9.6 33.9,30.34 v2(33.72,30.52) ; v2(78.67,30.52) 78.85,30.34 U7#2.6